# Altium PCB DC_Motor.PcbDoc (part 2 of 2)
Units mm, origin at the board's own origin, x right, y up, seen from the top; angles counter-clockwise.
Board outline 88.9 x 53.21 mm, 2 copper layers (Top Layer, Bottom Layer); 173 components, 107 nets, 517 pads, 209 vias.
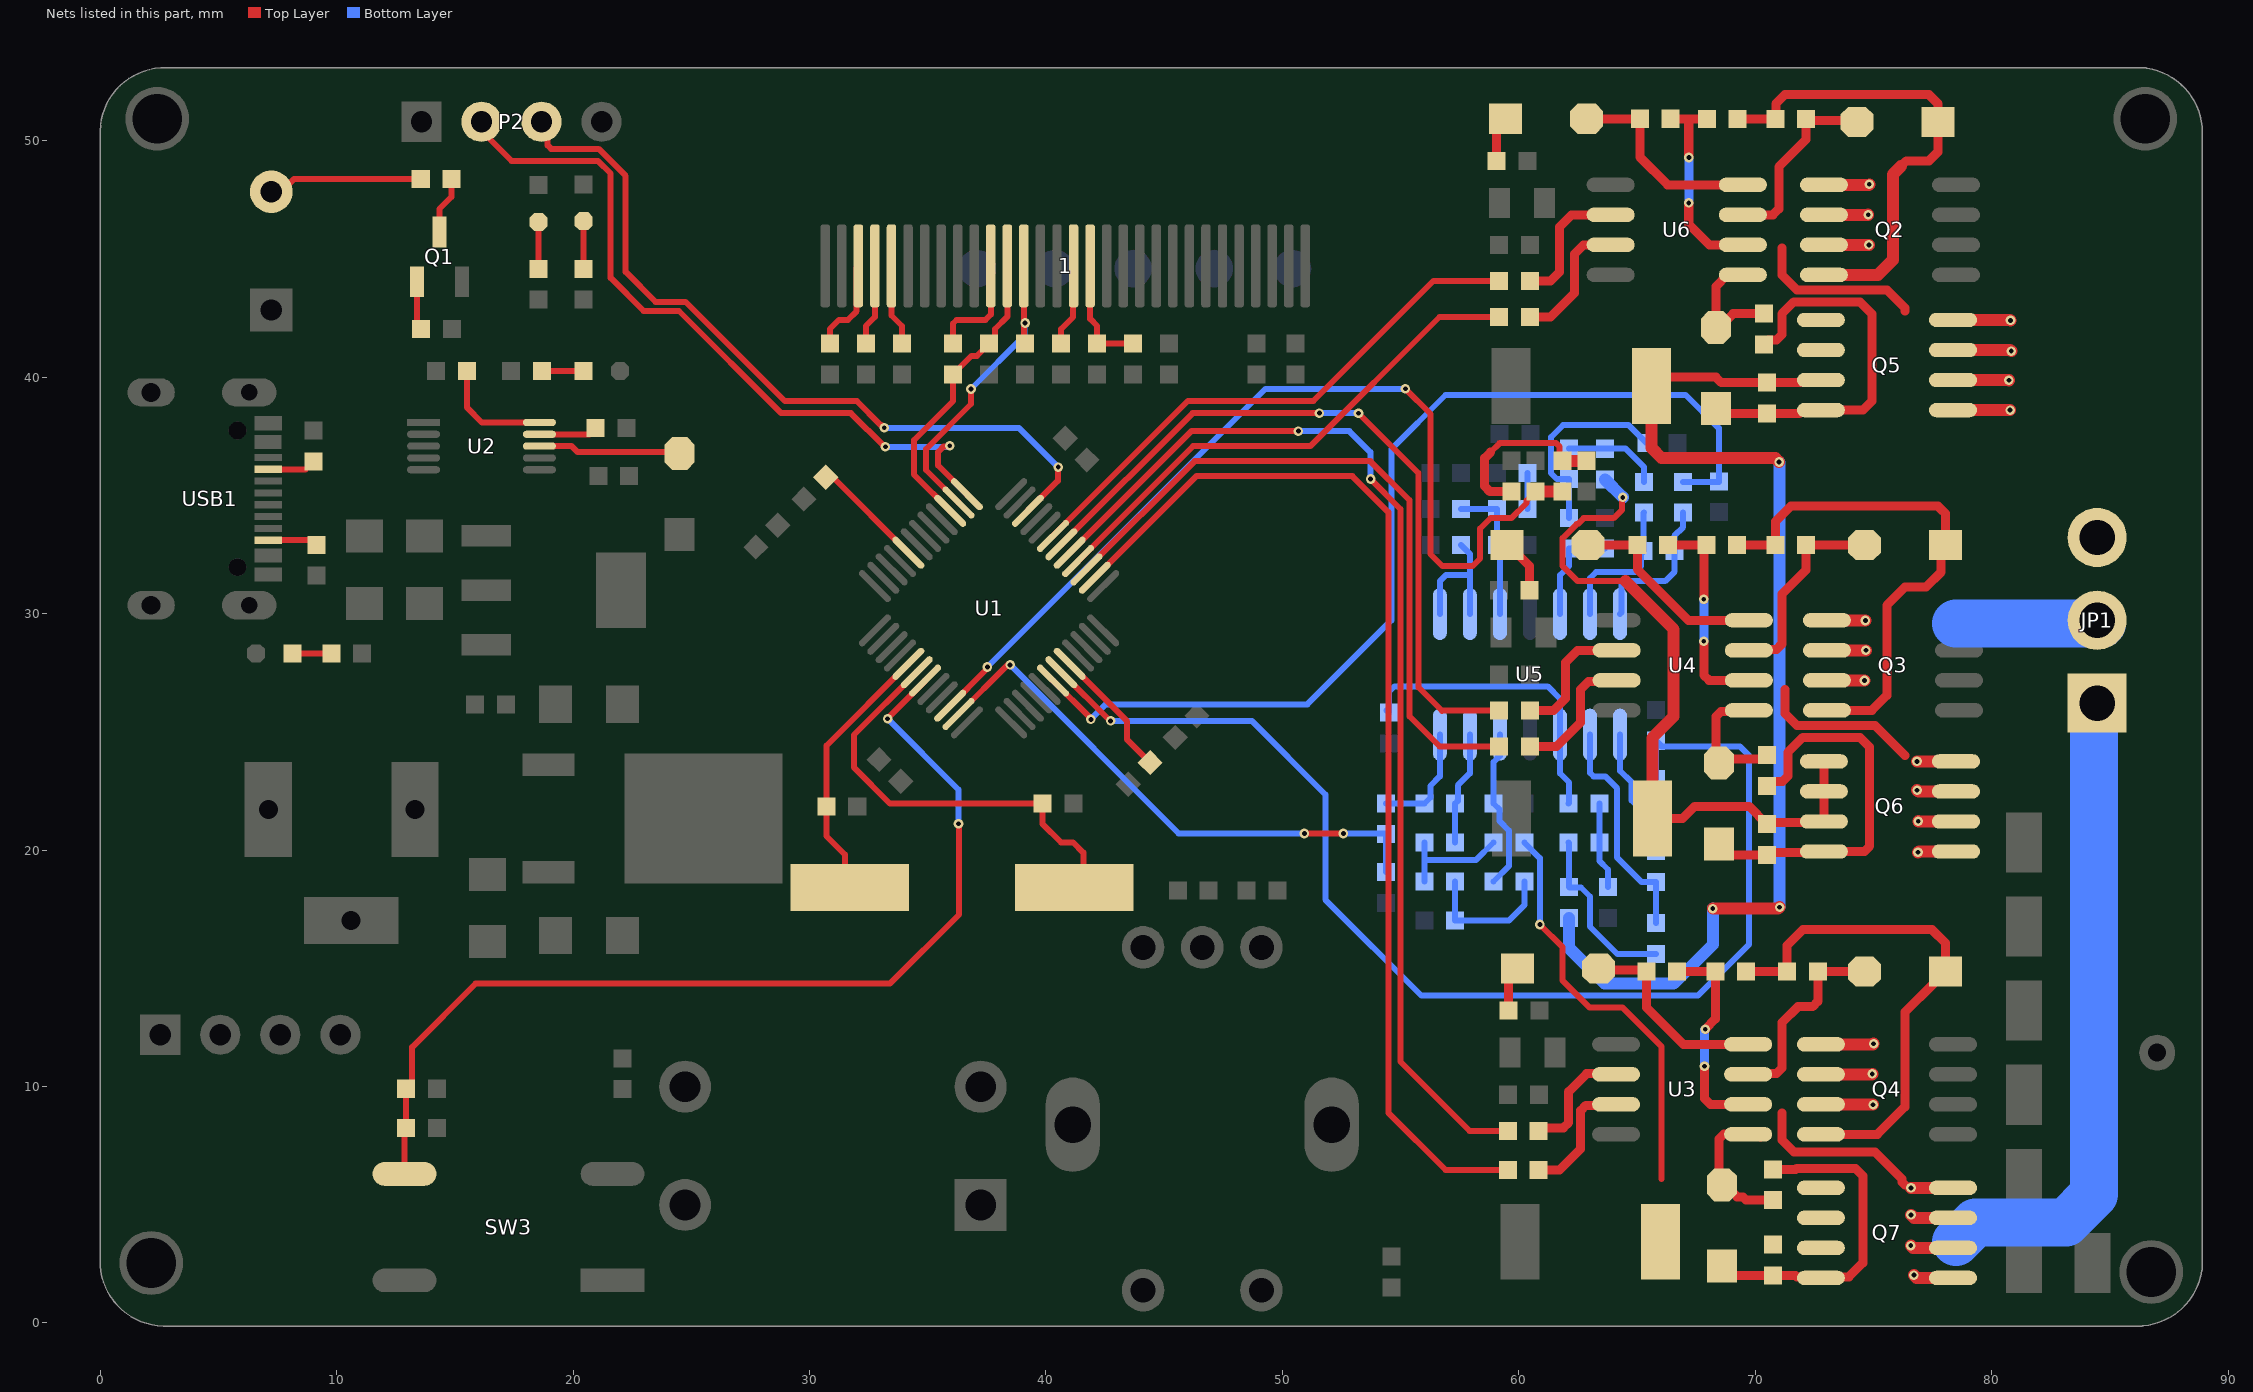
[diagram p2: the nets of this part, all layers, seen from the top]

## Via types
v1: diameter 0.406, hole 0.203, Top Layer to Bottom Layer, 141 vias
v2: diameter 0.457, hole 0.203, Top Layer to Bottom Layer, 68 vias

## Nets (pads, with @x,y where several pads share a name; then routed paths per layer and width w, separated by ;. In a path a pad name is that pad's centre, name@x,y a point inside that pad or via, vN(x,y) a via of type N, cw(c..) or ccw(c..) an arc to the next point about the centre after c; other vN are vias at no path point) (continued)
Net1_15: 1.15 R14.1 | length 3.5
  Top Layer w0.254: R14.1@40.64,41.417 40.64,42.037 41.148,42.545 41.148,44.686 1.15@41.166,44.704
Net1_20: 1.20 R18.1 | length 4.7
  Top Layer w0.254: R18.1@36.068,41.417 36.068,42.269 36.217,42.418 37.434,42.418 37.666,42.65 1.20@37.666,44.704
Net1_26: 1.26 R19.2 | length 3.5
  Top Layer w0.254: 1.26@33.466,44.704 33.466,42.607 33.909,42.164 R19.2@33.909,41.417
Net1_27: 1.27 C17.1 | length 3.4
  Top Layer w0.254: C17.1@32.385,41.417 32.385,42.164 32.766,42.545 1.27@32.766,44.704
Net1_28: 1.28 C18.1 | length 4
  Top Layer w0.254: C18.1@30.861,41.417 30.861,42.037 31.242,42.418 31.623,42.418 31.993,42.788 31.993,44.631 1.28@32.066,44.704
NetC19_2: C19.2 U2.10 | length 4.9
  Top Layer w0.254: C19.2@15.509,40.259 15.509,38.72 16.145,38.084 U2.10@18.579,38.084
NetC22_1: C22.1 JP1.1 Q4.1 Q4.2 Q4.3 Q7.5 Q7.6 Q7.7 Q7.8 R31.1 U3.6 | length 57.6
  Top Layer w0.381: C22.1@66.69,14.859 R31.1@68.311,14.859 68.311,12.857 67.881,12.428 v1(67.881,12.421) ; v1(67.848,10.861) 67.848,9.495 68.097,9.246 U3.6@69.698,9.246 ; 71.12,8.89 71.12,7.747 71.628,7.239 75.057,7.239 76.2,6.096 76.2,5.969 76.327,5.842
  Top Layer w0.508: Q4.3@72.771,9.246 74.965,9.246 v1(74.978,9.233) ; Q4.2@72.771,10.516 74.927,10.516 v1(74.946,10.534) ; Q4.1@72.771,11.786 74.972,11.786 v1(75,11.813) ; v1(76.573,3.272) 76.67,3.175 Q7.6@78.359,3.175 ; v1(76.581,4.572) 76.708,4.445 Q7.7@78.359,4.445 ; v1(76.581,5.715) Q7.8@78.359,5.715 ; v1(76.704,2.025) 76.824,1.905 Q7.5@78.359,1.905
  Bottom Layer w0.381: v1(67.848,10.861) 67.848,12.388 v1(67.881,12.421)
  Bottom Layer w2.032: 78.486,3.429 79.311,4.255 83.138,4.255 84.328,5.445 84.328,26.091 JP1.1@84.455,26.218
NetC22_2: C22.2 D6.2 U3.8 | length 8.5
  Top Layer w0.381: D6.2@63.373,14.986 63.436,14.923 65.327,14.923 C22.2@65.39,14.859 65.39,13.35 66.954,11.786 U3.8@69.698,11.786
NetC31_1: C31.1 JP1.2 Q3.1 Q3.2 Q3.3 Q6.5 Q6.6 Q6.7 Q6.8 R30.1 U4.6 | length 33.6
  Top Layer w0.381: C31.1@66.309,32.893 R30.1@67.93,32.893 67.823,32.786 67.823,30.612 v1(67.818,30.607) ; v1(67.818,28.829) 67.818,27.401 68.041,27.178 U4.6@69.723,27.178 ; 71.247,26.797 71.247,25.781 71.755,25.273 75.057,25.273 76.327,24.003
  Top Layer w0.508: Q3.3@73.025,27.178 74.608,27.178 v1(74.614,27.172) ; Q3.2@73.025,28.448 v1(74.676,28.448) ; Q3.1@73.025,29.718 74.645,29.718 v1(74.654,29.708) ; v1(76.835,23.749) Q6.8@78.486,23.749 ; v1(76.838,22.533) 76.892,22.479 Q6.7@78.486,22.479 ; v1(76.877,19.906) 76.911,19.939 Q6.5@78.486,19.939 ; v1(76.89,21.219) 76.901,21.209 Q6.6@78.486,21.209
  Bottom Layer w0.381: v1(67.818,28.829) v1(67.818,30.607)
  Bottom Layer w2.032: 78.486,29.591 JP1.2@84.653,29.591
NetC31_2: C31.2 D13.2 U4.8 | length 8.7
  Top Layer w0.381: D13.2@62.928,32.893 C31.2@65.009,32.893 65.009,31.877 67.168,29.718 U4.8@69.723,29.718
NetC33_2: C33.2 R42.2 U1.10 | length 40.2
  Top Layer w0.254: U1.10@35.948,26.107 37.497,27.656 37.497,27.766 v1(37.522,27.741) ; v1(55.201,39.509) 56.261,38.449 56.261,32.512 56.769,32.004 58.039,32.004 58.356,32.322 58.356,33.591 58.801,34.036 59.683,34.036 60.325,34.678 60.325,34.783 C33.2@60.706,35.164
  Top Layer w0.508: C33.2@60.706,35.164 R42.2@61.849,35.164
  Bottom Layer w0.254: v1(37.522,27.741) 49.277,39.497 v1@55.118,39.497
NetC37_1: C37.1 JP1.3 Q2.1 Q2.2 Q2.3 Q5.5 Q5.6 Q5.7 Q5.8 R29.1 U6.6 | length 31.1
  Top Layer w0.381: C37.1@66.421,50.927 67.183,50.927 ; v1(67.183,47.371) 67.183,46.467 68.057,45.593 U6.6@69.469,45.593 ; v1(67.189,49.289) 67.183,49.295 67.183,50.927 ; R29.1@67.945,50.927 67.183,50.927 ; 71.12,45.466 71.12,44.323 71.755,43.688 75.565,43.688 76.327,42.926 76.327,42.799
  Top Layer w0.508: Q2.3@72.898,45.593 v1(74.803,45.593) ; Q2.2@72.898,46.863 74.767,46.863 v1(74.773,46.869) ; Q2.1@72.898,48.133 74.795,48.133 v1(74.818,48.156) ; Q5.5@78.359,38.608 v1(80.772,38.608) ; Q5.6@78.359,39.878 80.715,39.878 v1(80.724,39.869) ; Q5.7@78.359,41.148 80.778,41.148 v1(80.825,41.1) ; Q5.8@78.359,42.418 80.773,42.418 v1(80.792,42.399)
  Bottom Layer w0.381: v1(67.183,47.371) 67.189,47.377 v1(67.189,49.289)
NetC37_2: C37.2 D14.2 U6.8 | length 8.7
  Top Layer w0.381: D14.2@62.865,50.927 C37.2@65.121,50.927 ; C37.2@65.121,50.927 65.121,49.306 66.294,48.133 U6.8@69.469,48.133
NetC38_2: C38.2 R49.2 R54.2 U5.3 | length 6
  Bottom Layer w0.254: C38.2@57.561,34.417 R54.2@59.07,34.417 R49.2@59.07,32.893 59.197,32.766 U5.3@59.197,29.984
NetC40_1: C40.1 R52.2 R53.1 | length 7.5
  Bottom Layer w0.254: C40.1@62.103,20.32 62.118,20.305 R52.2@62.118,18.43 62.133,18.415 62.626,18.415 63.007,18.034 63.007,16.764 64.165,15.606 R53.1@65.801,15.606
NetC40_2: C40.2 R57.1 R59.2 | length 3.7
  Bottom Layer w0.254: R57.1@63.403,21.971 63.403,19.543 63.769,19.177 R59.2@63.769,18.43
NetC41_2: C41.2 R55.1 U1.19 | length 52
  Top Layer w0.254: U1.19@40.651,27.521 42.707,25.464 v1(42.733,25.464)
  Bottom Layer w0.254: v1(42.733,25.464) 48.704,25.464 51.816,22.352 51.816,17.907 55.88,13.843 67.564,13.843 69.723,16.002 69.723,24.003 69.342,24.384 66.04,24.384 C41.2@65.801,24.623 R55.1@65.801,23.002
NetC42_1: C42.1 R63.2 R64.1 | length 4.9
  Bottom Layer w0.254: C42.1@56.007,18.669 56.007,19.495 ; R64.1@56.007,20.32 56.007,19.495 ; R63.2@58.928,20.32 58.181,19.573 56.085,19.573 56.007,19.495
NetC42_2: C42.2 R70.1 R72.2 | length 5.8
  Bottom Layer w0.254: C42.2@57.307,18.669 R72.2@57.307,17.018 59.578,17.018 60.228,17.668 R70.1@60.228,18.669
NetC43_1: C43.1 R65.2 R66.1 | length 4.1
  Bottom Layer w0.254: C43.1@62.118,36.987 63.627,36.987 R65.2@63.642,36.972 64.516,36.972 65.293,36.195 R66.1@65.293,35.575
NetC43_2: C43.2 R71.1 R73.2 | length 8.6
  Bottom Layer w0.254: R71.1@62.118,34.051 C43.2@62.118,35.687 61.61,35.687 61.356,35.941 61.356,37.465 61.864,37.973 64.643,37.973 R73.2@65.405,37.211
NetC44_2: C44.2 R68.1 U1.11 | length 23.5
  Top Layer w0.254: U1.11@36.301,25.753 38.38,27.832 v1(38.483,27.832) ; v1(50.927,20.701) v1(52.578,20.701)
  Bottom Layer w0.254: v1(38.483,27.832) 45.614,20.701 v1(50.927,20.701) ; v1(52.578,20.701) 54.341,20.701 R68.1@54.371,20.671 C44.2@54.371,19.065
NetC45_2: C45.2 R69.1 U1.18 | length 43.1
  Top Layer w0.254: U1.18@40.297,27.167 41.898,25.566 v1(41.898,25.527)
  Bottom Layer w0.254: v1(41.898,25.527) 42.533,26.162 51.054,26.162 54.61,29.718 54.61,36.957 56.896,39.243 67.056,39.243 68.453,37.846 68.453,35.575 R69.1@66.944,35.575
NetD1_1: D1.1 R16.2 | length 1.6
  Top Layer w0.254: D1.1@8.143,28.321 R16.2@9.779,28.321
NetD2_1: D2.1 R20.2 | length 1.7
  Top Layer w0.254: R20.2@18.684,40.259 D2.1@20.432,40.259
NetD3_2: D3.2 U2.8 | length 6.1
  Top Layer w0.254: U2.8@18.579,37.084 19.939,37.084 20.193,36.83 24.447,36.83 D3.2@24.511,36.767
NetD4_2: D4.2 R22.1 | length 2
  Top Layer w0.254: R22.1@20.447,44.577 D4.2@20.447,46.594
NetD5_2: D5.2 R23.1 | length 2
  Top Layer w0.254: R23.1@18.542,44.577 D5.2@18.542,46.564
NetD6_1: D6.1 R24.2 | length 1.9
  Top Layer w0.381: R24.2@59.563,13.208 59.563,14.605 D6.1@59.944,14.986
NetD7_1: D7.1 Q2.4 R25.2 R29.2 | length 20.6
  Top Layer w0.381: R29.2@69.245,50.927 R25.2@70.851,50.927 70.866,50.942 70.866,51.562 71.247,51.943 77.343,51.943 77.724,51.562 D7.1@77.724,50.8 77.724,49.53 77.343,49.149 76.391,49.149 76.168,48.927
  Top Layer w0.508: Q2.4@72.898,44.323 75.184,44.323 75.819,44.958 75.819,48.578 76.168,48.927
NetD7_2: D7.2 R25.1 U6.7 | length 8.1
  Top Layer w0.381: U6.7@69.469,46.863 70.739,46.863 70.993,47.117 70.993,48.895 72.151,50.053 R25.1@72.151,50.927 72.215,50.864 74.231,50.864 D7.2@74.295,50.8
NetD8_1: D8.1 Q3.4 R26.2 R30.2 | length 22.2
  Top Layer w0.381: R30.2@69.23,32.893 R26.2@70.851,32.893 70.851,33.894 71.501,34.544 77.724,34.544 77.851,34.417 78.041,34.226 D8.1@78.041,32.893 77.851,32.703 77.851,31.75 77.216,31.115 76.327,31.115 75.565,30.353 75.565,26.543 74.93,25.908 Q3.4@73.025,25.908
NetD8_2: D8.2 R26.1 U4.7 | length 8.6
  Top Layer w0.381: U4.7@69.723,28.448 69.767,28.492 70.897,28.492 71.12,28.715 71.12,30.822 72.151,31.853 R26.1@72.151,32.893 D8.2@74.612,32.893
NetD9_1: D9.1 Q4.4 R27.2 R31.2 | length 21.8
  Top Layer w0.381: R31.2@69.611,14.859 R27.2@71.344,14.859 71.344,15.972 72.009,16.637 77.47,16.637 78.041,16.066 D9.1@78.041,14.859 77.978,14.859 77.534,14.414 77.534,14.351 76.327,13.144 76.327,9.144 75.159,7.976 Q4.4@72.771,7.976
NetD9_2: D9.2 R27.1 U3.7 | length 8.6
  Top Layer w0.381: U3.7@69.698,10.516 69.741,10.559 70.897,10.559 71.12,10.783 71.12,12.7 71.803,13.383 72.421,13.383 72.644,13.606 R27.1@72.644,14.859 D9.2@74.612,14.859
NetD10_1: D10.1 Q5.4 R33.2 R36.2 | length 16.7
  Top Layer w0.381: D10.1@68.326,38.735 D10.1@68.326,38.672 68.531,38.466 R36.2@70.485,38.466 71.856,38.466 71.998,38.608 Q5.4@72.771,38.608 74.549,38.608 74.93,38.989 74.93,42.672 74.422,43.18 71.628,43.18 71.12,42.672 71.12,41.801 70.897,41.578 70.548,41.578 R33.2@70.358,41.387
NetD10_2: D10.2 R33.1 U6.5 | length 4.7
  Top Layer w0.381: U6.5@68.819,44.322 68.326,43.829 D10.2@68.326,42.1 68.468,42.1 69.055,42.687 R33.1@70.358,42.687
NetD11_1: D11.1 Q6.4 R34.2 R37.2 | length 16.9
  Top Layer w0.381: D11.1@68.453,20.256 68.453,20.242 68.897,19.797 R37.2@70.485,19.797 70.583,19.895 72.854,19.895 Q6.4@72.898,19.939 74.606,19.939 74.829,20.162 74.829,24.358 74.422,24.765 72.009,24.765 71.374,24.13 71.374,23.132 71.151,22.909 70.675,22.909 R34.2@70.485,22.718
NetD11_2: D11.2 R34.1 U4.5 | length 5.6
  Top Layer w0.381: U4.5@69.723,25.908 69.679,25.864 68.549,25.864 68.326,25.641 68.326,23.812 68.365,23.852 70.319,23.852 R34.1@70.485,24.018
NetD12_1: D12.1 Q7.4 R35.2 R38.2 | length 14.1
  Top Layer w0.381: D12.1@68.58,2.413 68.976,2.017 R38.2@70.739,2.017 71.691,2.017 71.76,1.949 72.727,1.949 Q7.4@72.771,1.905 72.815,1.949 73.958,1.949 74.549,2.54 74.549,6.223 74.231,6.54 71.75,6.54 71.702,6.492 R35.2@70.739,6.492
NetD12_2: D12.2 R35.1 U3.5 | length 6.3
  Top Layer w0.381: U3.5@70.218,7.87 70.113,7.976 U3.5@69.698,7.976 69.672,8.001 68.676,8.001 68.453,7.778 68.453,5.969 D12.2@68.58,5.842 68.722,5.842 69.23,5.334 69.469,5.334 69.611,5.192 R35.1@70.739,5.192
NetD13_1: D13.1 R41.2 | length 2.3
  Top Layer w0.381: D13.1@59.499,32.893 59.563,32.893 60.452,32.004 R41.2@60.452,30.988
NetD14_1: D14.1 R50.2 | length 1.9
  Top Layer w0.381: R50.2@59.055,49.149 59.055,50.546 D14.1@59.436,50.927
NetLS1_2: LS1.2 R4.2 | length 6.5
  Top Layer w0.254: LS1.2@7.239,47.839 7.657,47.839 8.205,48.387 R4.2@13.559,48.387
NetQ1_1: Q1.1 R7.2 | length 2.1
  Top Layer w0.254: Q1.1@13.401,44.035 13.401,42.21 R7.2@13.574,42.037
NetQ1_3: Q1.3 R4.1 | length 2.5
  Top Layer w0.254: Q1.3@14.351,46.135 14.351,47.117 14.859,47.625 R4.1@14.859,48.387
NetQ5_1: Q5.1 Q5.2 Q5.3 R36.1 R43.2 R52.1 | length 47.6
  Top Layer w0.381: R43.2@65.611,39.624 65.992,40.005 68.326,40.005 68.565,39.766 R36.1@70.485,39.766 71.886,39.766 71.998,39.878 Q5.3@72.771,39.878
  Top Layer w0.508: R43.2@65.611,39.624 65.611,37.005 66.04,36.576 70.842,36.576 v1(71.005,36.413) ; v1(68.199,17.526) 70.965,17.526 v1(71.024,17.585)
  Bottom Layer w0.508: R52.1@62.118,17.13 62.118,15.86 63.627,14.351 66.548,14.351 68.199,16.002 v1(68.199,17.526) ; v1(71.005,36.413) 71.024,36.394 v1(71.024,17.585)
NetQ6_1: Q6.1 Q6.2 Q6.3 R37.1 R45.2 R65.1 | length 30.3
  Top Layer w0.254: v1(64.393,34.916) 64.364,34.887 64.364,34.392 64.008,34.036 62.738,34.036 62.484,33.782 62.442,33.782 61.849,33.189 61.849,32.004 62.484,31.369 64.516,31.369
  Top Layer w0.381: R45.2@65.64,21.336 66.929,21.336 67.437,21.844 69.738,21.844 R37.1@70.485,21.097 70.553,21.165 72.854,21.165 Q6.3@72.898,21.209 Q6.2@72.898,22.479 Q6.1@72.898,23.749
  Top Layer w0.508: 64.516,31.369 66.548,29.337 66.548,25.654 65.64,24.746 R45.2@65.64,21.336
  Bottom Layer w0.508: R65.1@63.642,35.672 64.393,34.921 v1(64.393,34.916)
NetQ7_1: Q7.1 Q7.2 Q7.3 R38.1 R44.2 R63.1 | length 17.4
  Top Layer w0.254: v1(60.888,16.852) 61.849,15.892 61.849,14.478 62.992,13.335 64.389,13.335 66.04,11.684 66.04,6.096
  Bottom Layer w0.254: R63.1@60.228,20.32 60.888,19.66 v1(60.888,16.852)
NetR1_1: R1.1 U1.44 | length 4.8
  Top Layer w0.254: R1.1@30.686,35.766 30.992,35.766 U1.44@34.18,32.577
NetR9_2: R9.2 U1.20 | length 5.6
  Top Layer w0.254: U1.20@41.004,27.875 43.434,25.445 43.434,24.668 R9.2@44.402,23.701
NetR12_2: R12.2 USB1.A5 | length 2
  Top Layer w0.254: USB1.A5@7.109,36.103 8.686,36.103 R12.2@9.017,36.434
NetR13_2: R13.2 USB1.B5 | length 2.1
  Top Layer w0.254: USB1.B5@7.109,33.103 8.949,33.103 R13.2@9.144,32.908
NetR21_2: R21.2 U2.9 | length 2.5
  Top Layer w0.254: U2.9@18.579,37.584 20.693,37.584 R21.2@20.955,37.846
NetR28_1: R28.1 U1.29 | length 47.3
  Top Layer w0.254: U1.29@41.004,32.577 46.146,37.719 v1(50.673,37.719) ; v1(53.727,35.693) 53.727,35.681 54.991,34.417 54.991,11.049 57.912,8.128 R28.1@59.533,8.128
  Bottom Layer w0.254: v1(50.673,37.719) 52.832,37.719 53.721,36.83 53.721,35.699 v1(53.727,35.693)
NetR28_2: R28.2 U3.2 | length 5
  Top Layer w0.381: R28.2@60.833,8.128 60.96,8.255 61.88,8.255 62.103,8.478 62.103,9.779 62.865,10.541 64.084,10.541 U3.2@64.11,10.516
NetR32_1: R32.1 U1.26 | length 46.3
  Top Layer w0.254: U1.26@42.065,31.517 46.362,35.814 52.959,35.814 54.483,34.29 54.483,8.89 56.896,6.477 R32.1@59.533,6.477
NetR32_2: R32.2 U3.3 | length 5.4
  Top Layer w0.381: R32.2@60.833,6.477 61.722,6.477 62.611,7.366 62.611,8.979 62.834,9.202 64.066,9.202 U3.3@64.11,9.246
NetR39_1: R39.1 R40.1 R42.1 | length 7.6
  Top Layer w0.254: 58.801,36.83 59.182,37.211 61.573,37.211 61.722,37.062 61.722,36.591 R42.1@61.849,36.464
  Top Layer w0.381: 58.801,36.83 58.547,36.576 58.547,35.387 58.77,35.164 R40.1@59.69,35.164
  Top Layer w0.508: R42.1@61.849,36.464 R39.1@62.865,36.464
NetR46_1: R46.1 U1.30 | length 31.3
  Top Layer w0.254: U1.30@40.651,32.931 46.201,38.481 v1(51.562,38.481) ; v1(53.219,38.475) 55.753,35.941 55.753,26.88 56.747,25.886 56.769,25.908 R46.1@59.167,25.908
  Bottom Layer w0.254: v1(51.562,38.481) 53.213,38.481 v1(53.219,38.475)
NetR46_2: R46.2 U4.2 | length 5.6
  Top Layer w0.381: R46.2@60.467,25.908 61.468,25.908 61.976,26.416 61.976,27.94 62.484,28.448 U4.2@64.135,28.448
NetR47_1: R47.1 U1.27 | length 29.7
  Top Layer w0.254: U1.27@41.711,31.87 46.29,36.449 53.721,36.449 55.372,34.798 55.372,25.654 56.642,24.384 R47.1@59.167,24.384
NetR47_2: R47.2 U4.3 | length 5.6
  Top Layer w0.381: R47.2@60.467,24.384 61.595,24.384 62.611,25.4 62.611,26.797 62.948,27.134 64.091,27.134 U4.3@64.135,27.178
NetR48_2: R48.2 U5.1 U5.2 | length 5.8
  Bottom Layer w0.254: U5.1@56.657,29.984 56.657,31.369 56.911,31.623 57.927,31.623 ; R48.2@57.561,32.893 57.927,32.527 57.927,31.623 ; U5.2@57.927,29.984 57.927,31.623
NetR51_1: R51.1 R53.2 U5.9 | length 9.8
  Bottom Layer w0.254: U5.9@63.007,24.88 63.007,23.263 63.156,23.114 63.653,23.114 64.156,22.612 64.156,19.68 65.181,18.654 R51.1@65.801,18.654 R53.2@65.801,16.906
NetR51_2: R51.2 R55.2 U5.8 | length 5.9
  Bottom Layer w0.254: U5.8@64.277,24.88 64.277,23.353 64.77,22.86 64.77,22.098 65.166,21.702 R55.2@65.801,21.702 R51.2@65.801,19.954
NetR54_1: R54.1 R56.2 | length 1.5
  Bottom Layer w0.254: R54.1@60.37,34.417 R56.2@60.37,35.941
NetR57_2: R57.2 R61.2 U5.10 | length 13.2
  Bottom Layer w0.254: R61.2@54.401,25.908 R61.2@54.498,25.811 54.498,26.685 54.737,26.924 61.214,26.924 61.737,26.401 U5.10@61.737,24.88 61.737,23.241 62.118,22.86 62.118,21.986 R57.2@62.103,21.971
NetR58_1: R58.1 U1.31 | length 23.3
  Top Layer w0.254: U1.31@40.297,33.285 46.001,38.989 51.308,38.989 56.388,44.069 R58.1@59.167,44.069
NetR58_2: R58.2 U6.2 | length 5.7
  Top Layer w0.381: R58.2@60.467,44.069 61.341,44.069 61.722,44.45 61.722,46.355 62.23,46.863 U6.2@63.881,46.863
NetR60_1: R60.1 U1.28 | length 22.1
  Top Layer w0.254: U1.28@41.358,32.224 46.218,37.084 51.181,37.084 56.642,42.545 R60.1@59.167,42.545
NetR60_2: R60.2 U6.3 | length 5.6
  Top Layer w0.381: R60.2@60.467,42.545 61.341,42.545 62.357,43.561 62.357,45.212 62.738,45.593 U6.3@63.881,45.593
NetR62_1: R62.1 R64.2 U5.13 | length 4.8
  Bottom Layer w0.254: R64.2@57.307,20.32 R62.1@57.307,21.971 57.419,22.083 57.419,22.733 57.927,23.241 U5.13@57.927,24.88
NetR62_2: R62.2 R68.2 U5.14 | length 4.8
  Bottom Layer w0.254: R68.2@54.371,21.971 R62.2@56.007,21.971 56.261,22.225 56.261,22.718 56.657,23.114 U5.14@56.657,24.88
NetR66_2: R66.2 R67.1 U5.6 | length 6.2
  Bottom Layer w0.254: U5.6@63.007,29.984 63.007,31.496 63.261,31.75 64.912,31.75 65.166,32.004 65.166,32.527 R67.1@65.278,32.639 65.278,34.26 R66.2@65.293,34.275
NetR67_2: R67.2 R69.2 U5.7 | length 6.4
  Bottom Layer w0.254: U5.7@64.277,29.984 64.343,30.05 64.343,31.22 64.492,31.369 66.182,31.369 66.585,31.772 66.585,31.982 66.578,31.989 R67.2@66.578,32.639 66.578,33.289 66.944,33.655 R69.2@66.944,34.275
NetR70_2: R70.2 R74.2 U5.12 | length 6.9
  Bottom Layer w0.254: R70.2@58.928,18.669 59.578,19.319 59.578,20.828 59.182,21.224 59.182,21.717 R74.2@58.928,21.971 58.928,23.718 59.197,23.986 U5.12@59.197,24.88
NetR71_2: R71.2 R75.2 U5.5 | length 4.4
  Bottom Layer w0.254: U5.5@61.737,29.984 61.737,31.623 62.118,32.004 R71.2@62.118,32.751 R75.2@63.642,32.751
OLED_RST: 1.14 C13.2 R10.1 | length 4.9
  Top Layer w0.254: 1.14@41.866,44.704 41.866,42.462 42.164,42.164 R10.1@42.164,41.417 C13.2@43.688,41.417
OLED_SCL: 1.18 R15.2 U1.38 | length 13.2
  Top Layer w0.254: U1.38@36.301,34.699 34.925,36.075 34.925,36.957 36.83,38.862 v1(36.83,39.497) ; 1.18@39.066,44.704 39.066,41.467 R15.2@39.116,41.417
  Bottom Layer w0.254: v1(36.83,39.497) 39.087,41.754 39.087,42.262 v1(39.116,42.291)
OLED_SDA: 1.19 R17.2 R18.2 U1.39 | length 12.8
  Top Layer w0.254: U1.39@35.948,34.345 34.417,35.876 34.417,37.338 36.068,38.989 R18.2@36.068,40.117 36.845,40.894 37.084,40.894 37.084,40.909 R17.2@37.592,41.417 37.846,41.671 37.846,42.037 38.366,42.557 1.19@38.366,44.704
OSCIN: C1.2 U1.5 X1.2 | length 11.5
  Top Layer w0.254: X1.2@32.08,18.415 31.496,18.999 31.496,19.812 30.719,20.589 C1.2@30.719,21.844 30.719,24.414 U1.5@34.18,27.875
OSCOUT: C2.2 U1.6 X1.1 | length 18.3
  Top Layer w0.254: U1.6@34.533,27.521 31.877,24.865 31.877,23.495 33.401,21.971 C2.2@39.863,21.971 39.863,21.097 40.64,20.32 41.148,20.32 41.58,19.888 X1.1@41.58,18.415
RESET: C3.2 R8.1 SW3.3 U1.7 | length 42.8
  Top Layer w0.254: SW3.3@12.872,6.303 12.872,8.188 R8.1@12.939,8.255 C3.2@12.939,9.906 13.193,10.16 13.193,11.669 15.875,14.351 33.401,14.351 36.322,17.272 36.322,21.093 v1(36.301,21.114) ; v1(33.303,25.557) 33.303,25.577 34.887,27.161 U1.7@34.887,27.167
  Bottom Layer w0.254: v1(33.303,25.557) 36.301,22.559 v1(36.301,21.114)
SWDCLK: P2.2 U1.37 | length 31.2
  Top Layer w0.254: P2.2@16.129,50.8 16.129,50.419 17.399,49.149 21.051,49.149 21.59,48.61 21.59,44.196 22.987,42.799 24.48,42.799 28.798,38.481 31.75,38.481 33.175,37.056 v1(33.208,37.056) ; v1(35.93,37.102) 35.901,37.073 35.676,37.073 35.433,36.83 35.433,36.274 U1.37@36.655,35.052
  Bottom Layer w0.254: v1(33.208,37.056) 35.884,37.056 v1(35.93,37.102)
SWIO: P2.3 U1.34 | length 33.1
  Top Layer w0.254: P2.3@18.669,50.8 18.923,50.546 18.923,49.806 19.072,49.657 21.082,49.657 22.225,48.514 22.225,44.45 23.495,43.18 24.765,43.18 28.956,38.989 32.004,38.989 33.02,37.973 33.052,37.973 v1(33.161,37.863) ; U1.34@39.236,34.345 40.502,35.611 40.502,36.18 v1(40.517,36.195)
  Bottom Layer w0.254: v1(33.161,37.863) 33.179,37.846 38.862,37.846 40.513,36.195 v1(40.517,36.195)
pads on no net: 1.7 CON1.3 PAD1.1 PAD2.1 PAD3.1 PAD4.1 SW1.MH1 SW1.MH2 SW2.2 SW2.4 SW3.2 SW3.4 U1.1 U1.2 U1.3 U1.4 U1.21 U1.22 U1.25 U1.32 U1.33 U1.43 U1.45 U1.46 U2.4 U2.5 U2.6 USB1. USB1.0 USB1.A8 USB1.B8 VR2.4

## Polygon pours and split planes (outlines as drawn)
GND on Top Layer "GND_L01_P000" (solid, remove dead copper, pour order 0): -5.461,55.118 -5.08,55.499 93.599,55.499 93.599,1.651 86.995,-4.953 -2.413,-4.953
GND on Bottom Layer "GND_L02_P002" (solid, remove dead copper, pour order 2): -6.985,52.578 -6.985,52.832 -1.397,58.42 89.662,58.42 97.536,50.546 97.536,-9.398 -6.096,-9.398 -7.366,-8.128

## Keep-outs
Keep-Out Layer:
  lines w0.254: 0.127,2.54 0.127,3.683 0.127,50.419 cw(c2.73,50.355) 2.794,52.959 ; 0.127,2.667 ccw(c2.73,2.603) 2.667,0 86.36,0 ; 2.667,52.959 86.487,52.959 ; 86.106,0 ccw(c86.169,2.603) 88.773,2.54 ; 86.233,52.959 cw(c86.169,50.355) 88.773,50.292 ; 88.773,2.286 88.773,50.546

## Other copper
Top Layer:
  region net +12V: 76.962,48.26 77.597,48.895 79.375,48.895 79.756,48.514 79.756,43.942 79.375,43.561 77.47,43.561 76.962,44.069
  region net NetC37_1: 75.692,42.672 76.327,43.307 79.248,43.307 79.883,42.672 79.883,38.227 79.502,37.846 76.073,37.846 75.692,38.227
  region net NetC37_1: 68.707,45.974 68.707,45.212 68.961,44.958 73.66,44.958 74.295,45.593 74.295,48.514 73.914,48.895 71.882,48.895 71.501,48.514 71.501,46.355 71.247,46.101 68.834,46.101
  region net +12V: 78.867,12.319 80.264,13.716 80.264,21.971 80.518,21.971 81.28,22.733 82.423,22.733 82.931,22.225 82.931,1.143 82.423,0.635 80.518,0.635 80.137,1.016 80.264,1.143 80.264,6.604 79.883,6.985 79.121,6.985 78.613,7.493
  region net NetQ5_1: 62.611,38.227 63.119,37.719 66.675,37.719 67.183,38.227 67.183,39.37 67.437,39.37 67.833,39.766 68.819,39.766 69.469,39.116 71.501,39.116 71.628,39.243 73.533,39.243 74.168,39.878 74.168,42.418 73.787,42.799 72.009,42.799 71.628,42.418 71.628,41.021 71.374,40.767 68.961,40.767 68.58,41.148 67.056,41.148 66.675,41.529 66.675,42.164 66.167,42.672 62.992,42.672 62.611,42.291
  region net NetQ7_1: 62.547,2.032 63.309,1.27 66.611,1.27 67.12,1.778 67.12,3.302 67.501,3.683 69.278,3.683 69.659,3.302 69.659,2.794 69.913,2.54 71.564,2.54 71.819,2.794 73.596,2.794 73.977,3.175 73.914,5.842 73.66,6.223 71.882,6.223 71.755,5.969 71.691,4.699 71.31,4.318 69.532,4.318 69.025,4.826 67.12,4.826 66.739,5.207 66.739,6.096 66.358,6.477 62.928,6.477 62.547,6.096
  region net NetQ6_1: 62.674,19.812 63.436,19.05 66.739,19.05 67.246,19.558 67.246,21.082 67.627,21.463 69.406,21.463 69.787,21.082 69.787,20.574 70.04,20.32 71.691,20.32 71.945,20.574 73.724,20.574 74.105,20.955 74.105,24.003 73.85,24.257 72.072,24.257 71.819,24.003 71.819,22.479 71.438,22.098 69.659,22.098 69.151,22.606 67.246,22.606 66.865,22.987 66.865,23.876 66.484,24.257 63.055,24.257 62.674,23.876
  region net NetC22_1: 68.707,9.588 68.707,8.826 68.961,8.572 73.66,8.572 74.295,9.207 74.295,12.128 73.914,12.509 71.882,12.509 71.501,12.128 71.501,9.97 71.247,9.716 68.834,9.716
  region net NetC22_1: 75.692,5.969 76.327,6.604 79.248,6.604 79.883,5.969 79.883,1.524 79.502,1.143 76.073,1.143 75.692,1.524
  region net +12V: 76.962,11.811 77.597,12.446 79.375,12.446 79.756,12.065 79.756,7.493 79.375,7.112 77.47,7.112 76.962,7.62
  region net +12V: 77.089,29.591 77.724,30.226 79.502,30.226 79.883,29.845 79.883,25.273 79.502,24.892 77.597,24.892 77.089,25.4
  region net NetC31_1: 75.692,23.876 76.327,24.511 79.248,24.511 79.883,23.876 79.883,19.431 79.502,19.05 76.073,19.05 75.692,19.431
  region net NetC31_1: 68.707,27.432 68.707,26.67 68.961,26.416 73.66,26.416 74.295,27.051 74.295,29.972 73.914,30.353 71.882,30.353 71.501,29.972 71.501,27.813 71.247,27.559 68.834,27.559
  region net +12V: 11.176,24.13 11.176,19.431 12.065,18.542 14.478,18.542 14.986,19.05 14.986,20.701 16.002,21.717 19.939,21.717 20.701,22.479 20.701,27.305 20.193,27.813 18.415,27.813 18.034,27.432 18.034,25.019 17.78,24.765 11.684,24.765
Bottom Layer:
  region net NetC22_1: 71.882,12.319 72.009,12.192 72.009,2.032 73.406,0.635 78.613,0.635 79.756,1.778 79.756,6.731 78.359,8.128 78.359,13.335 77.978,13.716 72.263,13.716 71.882,13.335
  region net NetC31_1: 72.009,30.734 72.009,26.162 73.406,26.162 75.311,24.257 75.311,19.05 75.946,18.415 76.073,18.542 80.01,18.542 81.153,19.685 81.153,24.257 80.899,24.257 79.248,25.908 79.375,26.035 79.375,29.591 79.502,29.591 79.883,29.972 81.661,29.972 83.693,27.94 85.471,27.94 86.614,29.083 86.487,29.21 86.487,30.861 86.233,31.115 72.39,31.115
  region net NetC37_1: 72.898,45.593 72.898,49.403 73.533,50.038 77.343,50.038 77.978,49.403 77.978,44.577 78.994,43.561 81.534,43.561 82.677,42.418 82.677,39.37 86.741,35.306 86.741,32.639 85.725,31.623 81.28,31.623 79.502,33.401 79.502,36.703 78.359,37.846 75.311,37.846 73.025,40.132
Multi-Layer:
  pour cut-out: 29.726,46.746 51.697,46.746 51.697,42.428 29.726,42.428

## Silkscreen, mask and mechanical layers (free items; w line width, h text height)
Top Overlay:
  text "3V3 SWD DIO  GND" at 4.191,50.557 h0.97
  text "OUTPUT" at 85.725,36.068 h3.3 r90
  text "JLCJLCJLC" at 2.664,24.146 h1.52
  text "INPUT" at 0.635,13.843 h2.54
  text "3V3  TX  RX  GND" at 1.651,9.794 h1.27
  text "RST" at 15.875,7.493 h1.52
Bottom Overlay:
  lines w0.508: 44.958,33.02 45.085,26.543
  text "5V" at 41.863,41.902 h1.52
  text "3.3V" at 45.28,41.882 h1.52
  text "1.6V" at 48.582,41.882 h1.52
  text "12V" at 38.354,41.846 h1.52
  text "GND" at 52.151,41.856 h1.52
  text "DC-Motor-Drive" at 43.561,30.014 h3.81
  text "For Tree-phase DC brushless motor" at 43.434,26.864 h2.54
Mechanical 1:
  lines w0.254: 2.667,-0.127 2.668,-0.127 ; 0,2.669 ccw(c2.73,2.603) 2.664,-0.127 ccw(c2.667,0) 2.668,-0.127 ; 0,2.669 cw(c2.73,2.603) 0,2.67 0,2.669 ; 0,2.669 0,50.419 cw(c0.127,50.419) 0,50.422 cw(c2.73,50.355) 2.796,53.086 ; 2.668,-0.127 86.104,-0.127 ; 2.796,53.086 cw(c2.73,50.355) 2.797,53.086 2.796,53.086 ; 2.796,53.086 86.487,53.086 cw(c86.487,52.959) 86.567,53.058 ; 86.104,-0.127 ccw(c86.169,2.603) 86.235,-0.127 86.36,-0.127 ccw(c86.36,0) 86.409,-0.118 ccw(c86.169,2.603) 88.872,2.206 ; 86.104,-0.127 cw(c86.169,2.603) 86.103,-0.127 86.104,-0.127 ; 86.567,53.058 cw(c86.169,50.355) 88.891,50.595 cw(c88.773,50.546) 88.9,50.546 88.9,50.421 cw(c86.169,50.355) 88.901,50.355 cw(c86.169,50.355) 88.9,50.29 88.9,2.541 88.9,2.286 cw(c88.773,2.286) 88.872,2.206 ; 86.567,53.058 86.567,53.058 ; 88.872,2.206 88.872,2.206 ; 45.559,8.248 45.631,7.981 45.769,7.741 45.964,7.546 46.204,7.408 46.471,7.336 46.747,7.336 47.014,7.408 47.254,7.546 47.449,7.741 47.587,7.981 47.659,8.248 47.659,8.386 47.659,8.524 47.587,8.791 47.449,9.031 47.254,9.226 47.014,9.365 46.747,9.436 46.471,9.436 46.204,9.365 45.964,9.226 45.769,9.031 45.631,8.791 45.559,8.524 45.559,8.386 45.559,8.248 ; 45.834,12.459 45.834,12.561 45.834,13.211 45.834,13.313 45.887,13.51 45.989,13.687 46.133,13.831 46.31,13.933 46.507,13.986 46.711,13.986 46.908,13.933 47.085,13.831 47.229,13.687 47.331,13.51 47.384,13.313 47.384,13.211 47.384,12.561 47.384,12.459 47.331,12.262 47.229,12.085 47.085,11.941 46.908,11.839 46.711,11.786 46.507,11.786 46.31,11.839 46.133,11.941 45.989,12.085 45.887,12.262 45.834,12.459
Drill Drawing:
  circle w0.254: c3.953,96.578 r0.508
  circle w0.254: c3.953,96.578 r0.847
  circle w0.254: c3.953,92.768 r0.847
  lines w0.254: 3.106,69.908 3.953,69.061 4.8,69.908 3.953,70.754 3.106,69.908 ; 3.106,72.871 4.8,72.871 4.8,74.564 3.106,74.564 3.106,72.871 ; 3.106,78.374 4.8,78.374 3.953,76.681 3.106,78.374 ; 3.106,80.491 3.953,80.914 4.8,80.491 4.376,81.338 4.8,82.184 3.953,81.761 3.106,82.184 3.53,81.338 3.106,80.491 ; 3.106,84.724 3.53,84.724 3.953,84.301 4.376,84.724 4.8,84.724 4.376,85.148 4.8,85.571 4.376,85.571 3.953,85.994 3.53,85.571 3.106,85.571 3.53,85.148 3.106,84.724 ; 3.106,88.534 3.53,88.534 3.953,88.111 4.376,88.534 4.8,88.534 4.376,88.958 4.8,89.381 4.376,89.381 3.953,89.804 3.53,89.381 3.106,89.381 3.53,88.958 3.106,88.534 ; 3.106,99.964 3.53,99.964 3.53,99.541 4.376,99.541 4.376,99.964 4.8,99.964 4.8,100.811 4.376,100.811 4.376,101.234 3.53,101.234 3.53,100.811 3.106,100.811 3.106,99.964 ; 3.106,103.351 3.106,103.774 3.53,104.198 3.106,104.621 3.106,105.044 3.53,105.044 3.953,104.621 4.376,105.044 4.8,105.044 4.8,104.621 4.376,104.198 4.8,103.774 4.8,103.351 4.376,103.351 3.953,103.774 3.53,103.351 3.106,103.351 ; 3.106,107.161 3.953,107.584 4.8,107.161 4.376,108.008 4.8,108.854 3.953,108.431 3.106,108.854 3.53,108.008 3.106,107.161 ; 3.106,110.971 4.8,110.971 4.8,112.664 3.106,112.664 3.106,110.971 ; 3.106,116.474 4.8,116.474 3.953,114.781 3.106,116.474 ; 3.445,80.83 3.953,81.084 4.461,80.83 4.207,81.338 4.461,81.846 3.953,81.592 3.445,81.846 3.699,81.338 3.445,80.83 ; 3.445,88.704 3.699,88.704 3.953,88.45 4.207,88.704 4.461,88.704 4.207,88.958 4.461,89.212 4.207,89.212 3.953,89.466 3.699,89.212 3.445,89.212 3.699,88.958 3.445,88.704 ; 3.445,111.31 4.461,111.31 4.461,112.326 3.445,112.326 3.445,111.31 ; 3.445,116.136 4.461,116.136 3.953,115.12 3.445,116.136
  lines w0.381: 1.587,67.918 340.887,67.918 ; 1.587,117.448 340.887,117.448 ; 15.58,64.108 15.58,121.258 ; 30.816,64.108 30.816,121.258 ; 58.748,64.108 58.748,121.258 ; 71.597,64.108 71.597,121.258 ; 90.235,64.108 90.235,121.258 ; 128.324,64.108 128.324,121.258 ; 143.306,64.108 143.306,121.258 ; 162.249,64.108 162.249,121.258 ; 187.388,64.108 187.388,121.258 ; 209.074,64.108 209.074,121.258 ; 242.947,64.108 242.947,121.258 ; 276.821,64.108 276.821,121.258 ; 305.261,64.108 305.261,121.258 ; 1.587,64.108 340.887,64.108 340.887,121.258 1.587,121.258 1.587,64.108
  text "Symbol" at 3.873,118.591 h1.83
  text "Count" at 16.723,118.591 h1.83
  text "Hole Size" at 31.959,118.591 h1.83
  text "Plated" at 59.891,118.591 h1.83
  text "Hole Type" at 72.74,118.591 h1.83
  text "Drill Layer Pair" at 91.378,118.591 h1.83
  text "Via/Pad" at 129.467,118.591 h1.83
  text "Pad Shape" at 144.449,118.591 h1.83
  text "Template" at 163.392,118.591 h1.83
  text "Description" at 188.531,118.591 h1.83
  text "Hole Tolerance (+)" at 210.217,118.591 h1.83
  text "Hole Tolerance (-)" at 244.09,118.591 h1.83
  text "Hole Length" at 277.964,118.591 h1.83
  text "Routed Path Length" at 306.404,118.591 h1.83
  text "1" at 16.723,114.781 h1.52
  text "30.00mil (0.762mm)" at 31.959,114.781 h1.52
  text "PTH" at 59.891,114.781 h1.52
  text "Round" at 72.74,114.781 h1.52
  text "Top Layer - Bottom Layer" at 91.378,114.781 h1.52
  text "Pad" at 129.467,114.781 h1.52
  text "Rounded" at 144.449,114.781 h1.52
  text "c152h76" at 163.392,114.781 h1.52
  text "-" at 277.964,114.781 h1.52
  text "-" at 306.404,114.781 h1.52
  text "1" at 16.723,110.971 h1.52
  text "31.50mil (0.800mm)" at 31.959,110.971 h1.52
  text "PTH" at 59.891,110.971 h1.52
  text "Slot" at 72.74,110.971 h1.52
  text "Top Layer - Bottom Layer" at 91.378,110.971 h1.52
  text "Pad" at 129.467,110.971 h1.52
  text "Rectangle" at 144.449,110.971 h1.52
  text "r400_200h80_250" at 163.392,110.971 h1.52
  text "98.43mil (2.500mm)" at 277.964,110.971 h1.52
  text "66.93mil (1.700mm)" at 306.404,110.971 h1.52
  text "2" at 16.723,107.161 h1.52
  text "27.56mil (0.700mm)" at 31.959,107.161 h1.52
  text "PTH" at 59.891,107.161 h1.52
  text "Slot" at 72.74,107.161 h1.52
  text "Top Layer - Bottom Layer" at 91.378,107.161 h1.52
  text "Pad" at 129.467,107.161 h1.52
  text "Rounded" at 144.449,107.161 h1.52
  text "(Mixed)" at 163.392,107.161 h1.52
  text "70.87mil (1.800mm)" at 277.964,107.161 h1.52
  text "43.31mil (1.100mm)" at 306.404,107.161 h1.52
  text "2" at 16.723,103.351 h1.52
  text "29.53mil (0.750mm)" at 31.959,103.351 h1.52
  text "NPTH" at 59.891,103.351 h1.52
  text "Round" at 72.74,103.351 h1.52
  text "Top Layer - Bottom Layer" at 91.378,103.351 h1.52
  text "Pad" at 129.467,103.351 h1.52
  text "Rounded" at 144.449,103.351 h1.52
  text "c75hn75" at 163.392,103.351 h1.52
  text "-" at 277.964,103.351 h1.52
  text "-" at 306.404,103.351 h1.52
  text "2" at 16.723,99.541 h1.52
  text "31.50mil (0.800mm)" at 31.959,99.541 h1.52
  text "PTH" at 59.891,99.541 h1.52
  text "Slot" at 72.74,99.541 h1.52
  text "Top Layer - Bottom Layer" at 91.378,99.541 h1.52
  text "Pad" at 129.467,99.541 h1.52
  text "Rounded" at 144.449,99.541 h1.52
  text "(Mixed)" at 163.392,99.541 h1.52
  text "62.99mil (1.600mm)" at 277.964,99.541 h1.52
  text "31.50mil (0.800mm)" at 306.404,99.541 h1.52
  text "2" at 16.723,95.731 h1.52
  text "31.50mil (0.800mm)" at 31.959,95.731 h1.52
  text "PTH" at 59.891,95.731 h1.52
  text "Slot" at 72.74,95.731 h1.52
  text "Top Layer - Bottom Layer" at 91.378,95.731 h1.52
  text "Pad" at 129.467,95.731 h1.52
  text "Rectangle" at 144.449,95.731 h1.52
  text "(Mixed)" at 163.392,95.731 h1.52
  text "118.11mil (3.000mm)" at 277.964,95.731 h1.52
  text "86.61mil (2.200mm)" at 306.404,95.731 h1.52
  text "2" at 16.723,91.921 h1.52
  text "61.02mil (1.550mm)" at 31.959,91.921 h1.52
  text "PTH" at 59.891,91.921 h1.52
  text "Slot" at 72.74,91.921 h1.52
  text "Top Layer - Bottom Layer" at 91.378,91.921 h1.52
  text "Pad" at 129.467,91.921 h1.52
  text "Rounded" at 144.449,91.921 h1.52
  text "(Mixed)" at 163.392,91.921 h1.52
  text "118.11mil (3.000mm)" at 277.964,91.921 h1.52
  text "57.09mil (1.450mm)" at 306.404,91.921 h1.52
  text "3" at 16.723,88.111 h1.52
  text "59.06mil (1.500mm)" at 31.959,88.111 h1.52
  text "PTH" at 59.891,88.111 h1.52
  text "Round" at 72.74,88.111 h1.52
  text "Top Layer - Bottom Layer" at 91.378,88.111 h1.52
  text "Pad" at 129.467,88.111 h1.52
  text "(Mixed)" at 144.449,88.111 h1.52
  text "(Mixed)" at 163.392,88.111 h1.52
  text "-" at 277.964,88.111 h1.52
  text "-" at 306.404,88.111 h1.52
  text "4" at 16.723,84.301 h1.52
  text "51.18mil (1.300mm)" at 31.959,84.301 h1.52
  text "PTH" at 59.891,84.301 h1.52
  text "Round" at 72.74,84.301 h1.52
  text "Top Layer - Bottom Layer" at 91.378,84.301 h1.52
  text "Pad" at 129.467,84.301 h1.52
  text "(Mixed)" at 144.449,84.301 h1.52
  text "(Mixed)" at 163.392,84.301 h1.52
  text "-" at 277.964,84.301 h1.52
  text "-" at 306.404,84.301 h1.52
  text "4" at 16.723,80.491 h1.52
  text "82.68mil (2.100mm)" at 31.959,80.491 h1.52
  text "PTH" at 59.891,80.491 h1.52
  text "Round" at 72.74,80.491 h1.52
  text "Top Layer - Bottom Layer" at 91.378,80.491 h1.52
  text "Pad" at 129.467,80.491 h1.52
  text "Rounded" at 144.449,80.491 h1.52
  text "c270h210" at 163.392,80.491 h1.52
  text "-" at 277.964,80.491 h1.52
  text "-" at 306.404,80.491 h1.52
  text "5" at 16.723,76.681 h1.52
  text "41.34mil (1.050mm)" at 31.959,76.681 h1.52
  text "PTH" at 59.891,76.681 h1.52
  text "Round" at 72.74,76.681 h1.52
  text "Top Layer - Bottom Layer" at 91.378,76.681 h1.52
  text "Pad" at 129.467,76.681 h1.52
  text "Rounded" at 144.449,76.681 h1.52
  text "(Mixed)" at 163.392,76.681 h1.52
  text "-" at 277.964,76.681 h1.52
  text "-" at 306.404,76.681 h1.52
  text "10" at 16.723,72.871 h1.52
  text "35.43mil (0.900mm)" at 31.959,72.871 h1.52
  text "PTH" at 59.891,72.871 h1.52
  text "Round" at 72.74,72.871 h1.52
  text "Top Layer - Bottom Layer" at 91.378,72.871 h1.52
  text "Pad" at 129.467,72.871 h1.52
  text "(Mixed)" at 144.449,72.871 h1.52
  text "(Mixed)" at 163.392,72.871 h1.52
  text "-" at 277.964,72.871 h1.52
  text "-" at 306.404,72.871 h1.52
  text "209" at 16.723,69.061 h1.52
  text "8.00mil (0.203mm)" at 31.959,69.061 h1.52
  text "PTH" at 59.891,69.061 h1.52
  text "Round" at 72.74,69.061 h1.52
  text "Top Layer - Bottom Layer" at 91.378,69.061 h1.52
  text "Via" at 129.467,69.061 h1.52
  text "Rounded" at 144.449,69.061 h1.52
  text "(Mixed)" at 163.392,69.061 h1.52
  text "-" at 277.964,69.061 h1.52
  text "-" at 306.404,69.061 h1.52
  text "247 Total" at 16.723,65.251 h1.52
  text "Slot definitions :" at 3.873,61.569 h1.52
  text "Routed Path Length" at 30.104,61.569 h1.52
  text "= Calculated from tool start centre position to tool end centre position." at 58.112,61.569 h1.52
  text "Hole Length" at 30.104,59.029 h1.52
  text "= Routed Path Length + Tool Size = Slot length as defined in the PCB layout" at 47.701,59.029 h1.52

## Dimensions
1.016,0 to 0.762,52.959 on Mechanical 1
0,0.889 to 88.773,0.508 on Mechanical 1

## Text inside footprints (layer, text, board x,y; h text height)
Designator30: Bottom Overlay "D" at 13.108,45.645 h1.78; Bottom Overlay "C" at 15.902,45.663 h1.78; Bottom Overlay "B" at 18.696,45.645 h1.78; Bottom Overlay "A" at 21.59,45.593 h1.78; Bottom Overlay "PCB  Check" at 22.479,47.514 h1.52